# Altium PCB SONDE_2.PcbDoc (part 8 of 10)
Units mil, origin at the board's own origin, x right, y up, seen from the top; angles counter-clockwise.
Board outline 10236.22 x 6701.71 mil, 4 copper layers (Top Layer, GND, Internal Plane 2, Bottom Layer), stack 30.9 mil thick; 1794 components, 936 nets, 4747 pads, 493 vias.
Unrouted connection lines stored in the file: 1122.
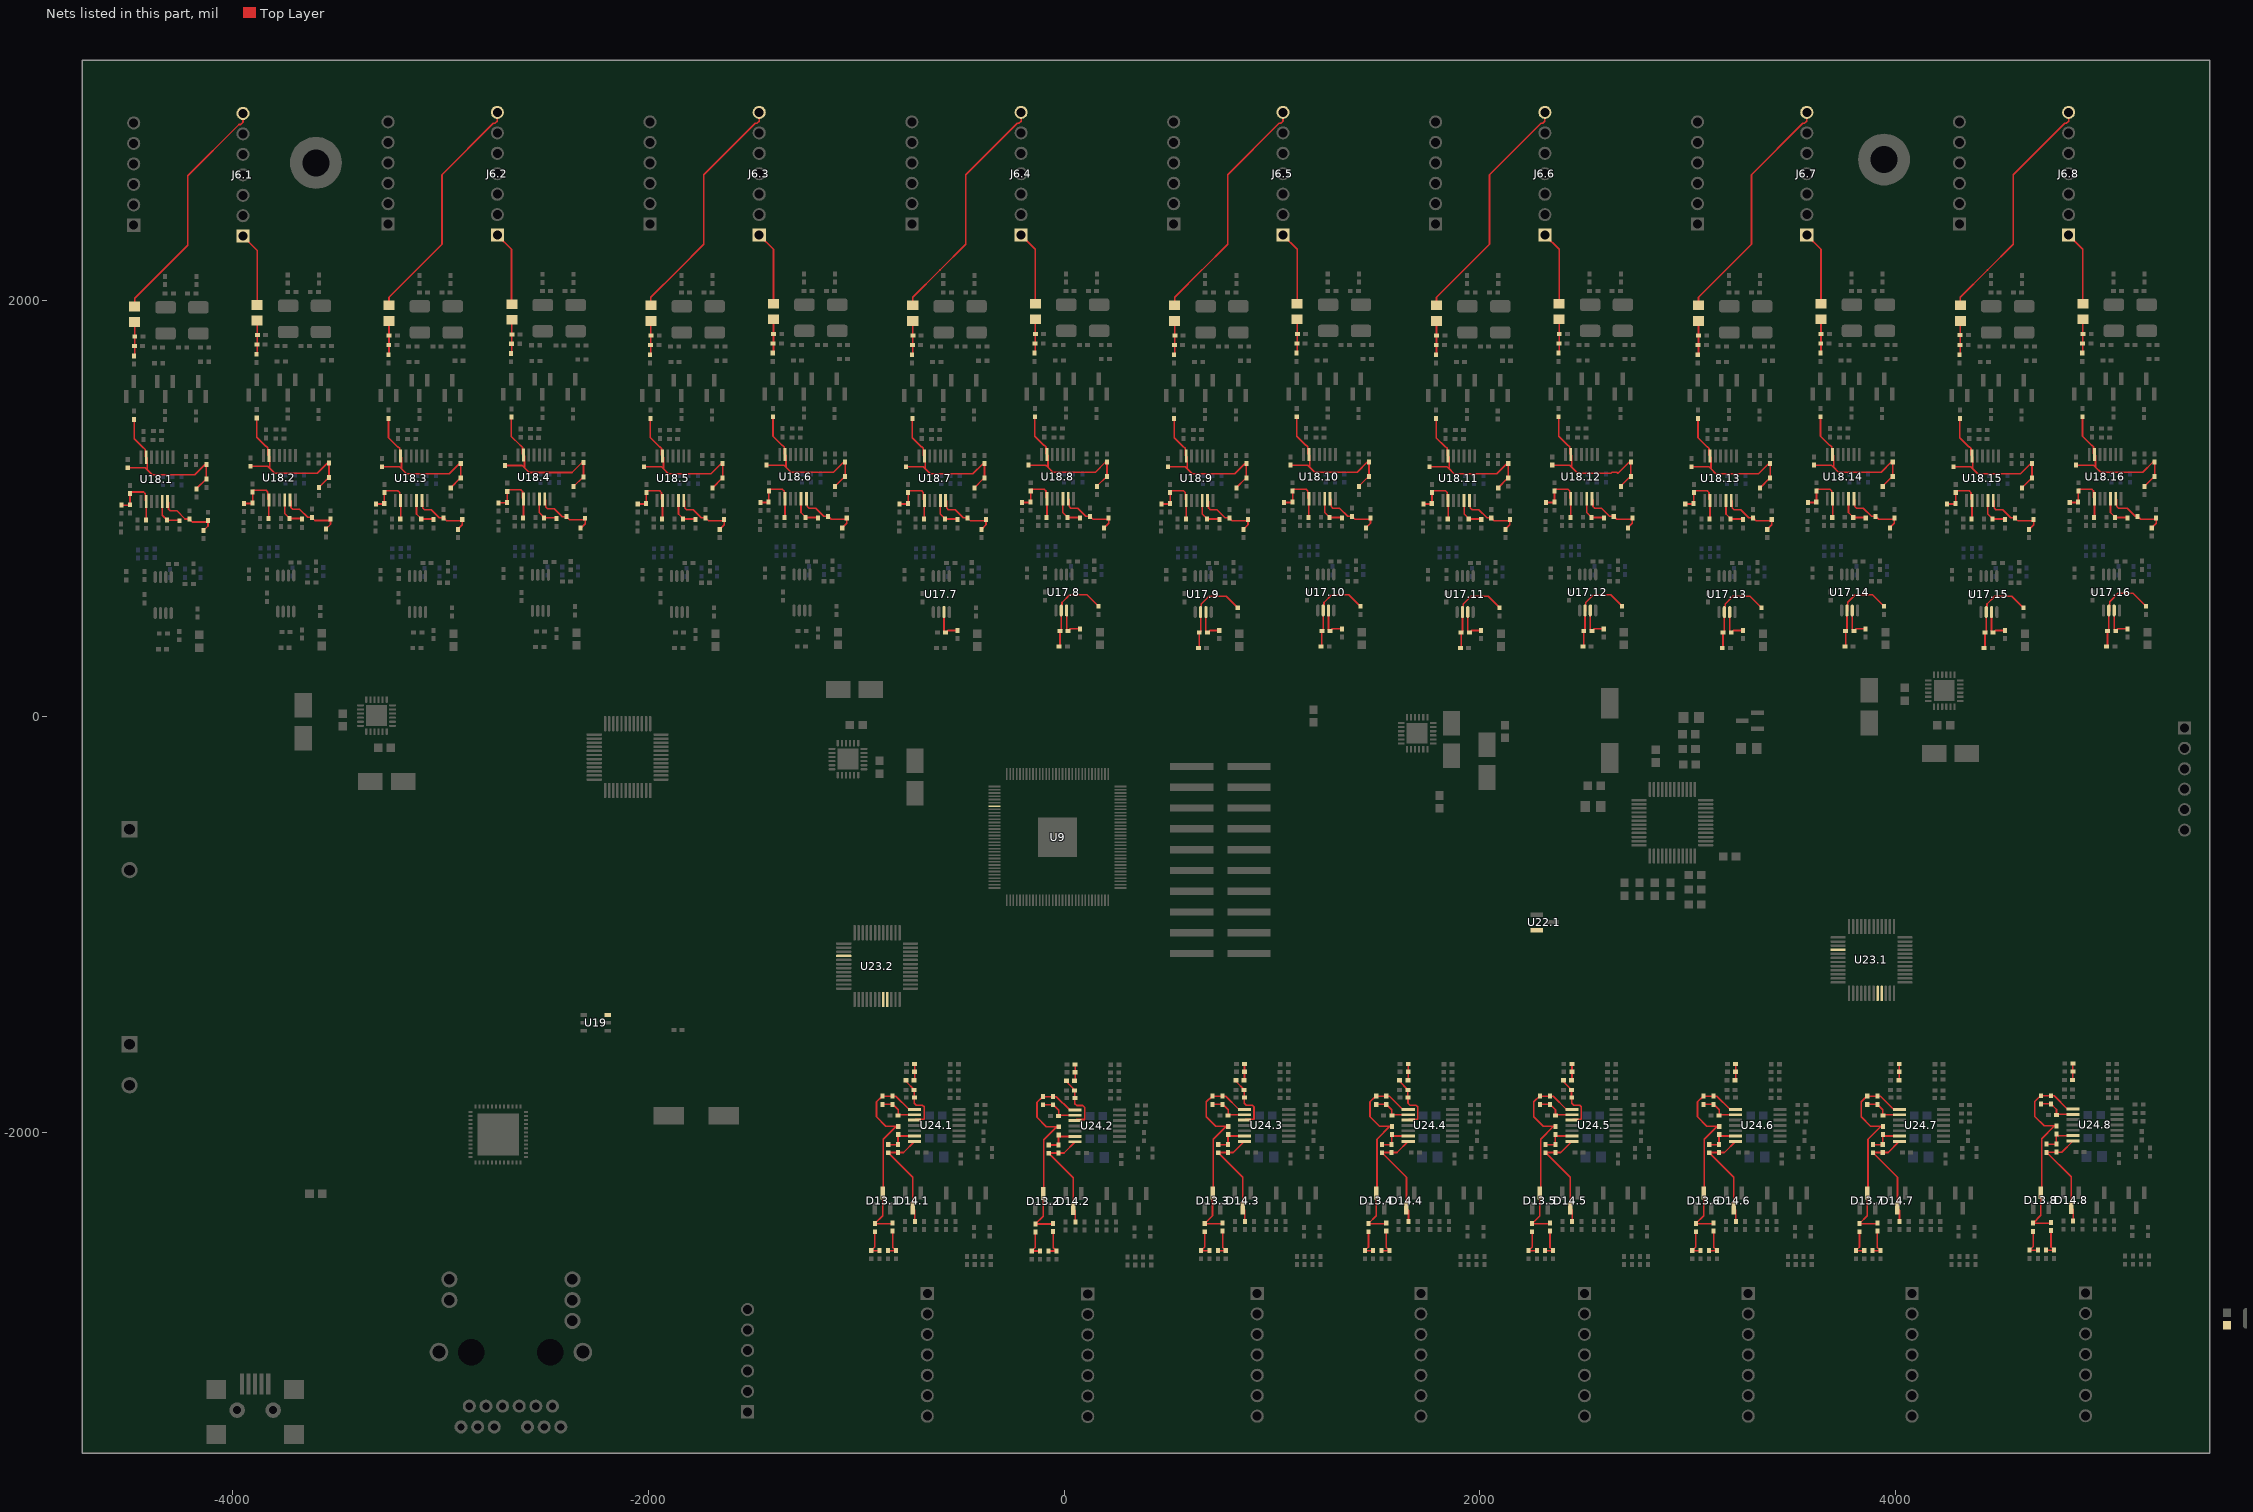
[diagram p10: the nets of this part, all layers, seen from the top]

## Via types
v1: diameter 25, hole 12, Top Layer to Bottom Layer, 493 vias

## Nets (pads, with @x,y where several pads share a name; then routed paths per layer and width w, separated by ;. In a path a pad name is that pad's centre, name@x,y a point inside that pad or via, vN(x,y) a via of type N, cw(c..) or ccw(c..) an arc to the next point about the centre after c; other vN are vias at no path point) (continued)
NetC75.7_2: C75.7.2 R51.7.1 U17.7.7 | length 163.2
  Top Layer w8: U17.7.7@-577.96,503.24 -577.96,411.66 C75.7.2@-570.46,404.16 -560.08,414.54 R51.7.1@-513.76,414.54
NetC75.8_1: C75.8.1 R47.8.1 R50.8.1 U17.8.6 | length 444.5
  Top Layer w8: R47.8.1@-20.16,340.63 C75.8.1@-20.16,411.63 ; C75.8.1@-12.27,419.52 C75.8.1@-20.16,411.63 ; U17.8.6@-10.5,507.33 -10.19,507.33 U17.8.6@-10.19,514.41 ; R50.8.1@164.77,531.03 109.47,586.33 26.97,586.33 -10.19,549.17 U17.8.6@-10.19,514.41 ; C75.8.1@-20.16,411.63 -13.88,417.91 U17.8.6@-13.88,510.72 U17.8.6@-10.19,514.41
NetC75.8_2: C75.8.2 R51.8.1 U17.8.7 | length 163.2
  Top Layer w8: U17.8.7@11.71,510.72 11.71,419.13 C75.8.2@19.21,411.63 29.59,422.02 R51.8.1@75.91,422.02
NetC75.9_1: C75.9.1 R47.9.1 R50.9.1 U17.9.6 | length 444.5
  Top Layer w8: R47.9.1@650.01,333.16 C75.9.1@650.01,404.16 ; C75.9.1@657.9,412.05 C75.9.1@650.01,404.16 ; U17.9.6@659.67,499.86 659.98,499.86 U17.9.6@659.98,506.93 ; R50.9.1@834.94,523.55 779.64,578.86 697.14,578.86 659.98,541.69 U17.9.6@659.98,506.93 ; C75.9.1@650.01,404.16 656.29,410.44 U17.9.6@656.29,503.24 U17.9.6@659.98,506.93
NetC75.9_2: C75.9.2 R51.9.1 U17.9.7 | length 163.2
  Top Layer w8: U17.9.7@681.88,503.24 681.88,411.66 C75.9.2@689.38,404.16 699.76,414.54 R51.9.1@746.08,414.54
NetC75.10_1: C75.10.1 R47.10.1 R50.10.1 U17.10.6 | length 444.5
  Top Layer w8: R47.10.1@1239.68,340.63 C75.10.1@1239.68,411.63 ; C75.10.1@1247.57,419.52 C75.10.1@1239.68,411.63 ; U17.10.6@1249.35,507.33 1249.65,507.33 U17.10.6@1249.65,514.41 ; R50.10.1@1424.61,531.03 1369.31,586.33 1286.81,586.33 1249.65,549.17 U17.10.6@1249.65,514.41 ; C75.10.1@1239.68,411.63 1245.96,417.91 U17.10.6@1245.96,510.72 U17.10.6@1249.65,514.41
NetC75.10_2: C75.10.2 R51.10.1 U17.10.7 | length 163.2
  Top Layer w8: U17.10.7@1271.55,510.72 1271.55,419.13 C75.10.2@1279.05,411.63 1289.44,422.02 R51.10.1@1335.76,422.02
NetC75.11_1: C75.11.1 R47.11.1 R50.11.1 U17.11.6 | length 444.5
  Top Layer w8: R47.11.1@1909.85,333.16 C75.11.1@1909.85,404.16 ; C75.11.1@1917.74,412.05 C75.11.1@1909.85,404.16 ; U17.11.6@1919.52,499.86 1919.82,499.86 U17.11.6@1919.82,506.93 ; R50.11.1@2094.78,523.55 2039.48,578.86 1956.99,578.86 1919.82,541.69 U17.11.6@1919.82,506.93 ; C75.11.1@1909.85,404.16 1916.13,410.44 U17.11.6@1916.13,503.24 U17.11.6@1919.82,506.93
NetC75.11_2: C75.11.2 R51.11.1 U17.11.7 | length 163.2
  Top Layer w8: U17.11.7@1941.72,503.24 1941.72,411.66 C75.11.2@1949.22,404.16 1959.61,414.54 R51.11.1@2005.93,414.54
NetC75.12_1: C75.12.1 R47.12.1 R50.12.1 U17.12.6 | length 444.5
  Top Layer w8: R47.12.1@2499.52,340.63 C75.12.1@2499.52,411.63 ; C75.12.1@2507.41,419.52 C75.12.1@2499.52,411.63 ; U17.12.6@2509.19,507.33 2509.49,507.33 U17.12.6@2509.49,514.41 ; R50.12.1@2684.46,531.03 2629.15,586.33 2546.66,586.33 2509.49,549.17 U17.12.6@2509.49,514.41 ; C75.12.1@2499.52,411.63 2505.8,417.91 U17.12.6@2505.8,510.72 U17.12.6@2509.49,514.41
NetC75.12_2: C75.12.2 R51.12.1 U17.12.7 | length 163.2
  Top Layer w8: U17.12.7@2531.39,510.72 2531.39,419.13 C75.12.2@2538.89,411.63 2549.28,422.02 R51.12.1@2595.6,422.02
NetC75.13_1: C75.13.1 R47.13.1 R50.13.1 U17.13.6 | length 444.5
  Top Layer w8: R47.13.1@3169.69,333.16 C75.13.1@3169.69,404.16 ; C75.13.1@3177.58,412.05 C75.13.1@3169.69,404.16 ; U17.13.6@3179.36,499.86 3179.66,499.86 U17.13.6@3179.66,506.93 ; R50.13.1@3354.63,523.55 3299.32,578.86 3216.83,578.86 3179.66,541.69 U17.13.6@3179.66,506.93 ; C75.13.1@3169.69,404.16 3175.97,410.44 U17.13.6@3175.97,503.24 U17.13.6@3179.66,506.93
NetC75.13_2: C75.13.2 R51.13.1 U17.13.7 | length 163.2
  Top Layer w8: U17.13.7@3201.56,503.24 3201.56,411.66 C75.13.2@3209.06,404.16 3219.45,414.54 R51.13.1@3265.77,414.54
NetC75.14_1: C75.14.1 R47.14.1 R50.14.1 U17.14.6 | length 445.3
  Top Layer w8: R47.14.1@3759.37,340.63 C75.14.1@3759.37,411.63 ; C75.14.1@3767.26,419.52 C75.14.1@3759.37,411.63 ; U17.14.6@3769.03,507.33 3769.34,507.33 U17.14.6@3769.34,514.41 ; R50.14.1@3944.3,531.03 3888.5,586.83 3806.29,586.83 3769.34,549.88 U17.14.6@3769.34,514.41 ; C75.14.1@3759.37,411.63 3765.65,417.91 U17.14.6@3765.65,510.72 U17.14.6@3769.34,514.41
NetC75.14_2: C75.14.2 R51.14.1 U17.14.7 | length 163.2
  Top Layer w8: U17.14.7@3791.24,510.72 3791.24,419.13 C75.14.2@3798.74,411.63 3809.12,422.02 R51.14.1@3855.44,422.02
NetC75.15_1: C75.15.1 R47.15.1 R50.15.1 U17.15.6 | length 444.5
  Top Layer w8: R47.15.1@4429.54,333.16 C75.15.1@4429.54,404.16 ; C75.15.1@4437.43,412.05 C75.15.1@4429.54,404.16 ; U17.15.6@4439.2,499.86 4439.51,499.86 U17.15.6@4439.51,506.93 ; R50.15.1@4614.47,523.55 4559.17,578.86 4476.67,578.86 4439.51,541.69 U17.15.6@4439.51,506.93 ; C75.15.1@4429.54,404.16 4435.82,410.44 U17.15.6@4435.82,503.24 U17.15.6@4439.51,506.93
NetC75.15_2: C75.15.2 R51.15.1 U17.15.7 | length 163.2
  Top Layer w8: U17.15.7@4461.41,503.24 4461.41,411.66 C75.15.2@4468.91,404.16 4479.29,414.54 R51.15.1@4525.61,414.54
NetC75.16_1: C75.16.1 R47.16.1 R50.16.1 U17.16.6 | length 452.1
  Top Layer w8: R47.16.1@5019.21,340.63 C75.16.1@5019.21,411.63 ; C75.16.1@5027.1,419.52 C75.16.1@5019.21,411.63 ; U17.16.6@5028.87,507.33 5029.18,507.33 U17.16.6@5029.18,514.41 ; R50.16.1@5204.14,531.03 5142.17,593 5069.47,593 5029.18,552.7 U17.16.6@5029.18,514.41 ; C75.16.1@5019.21,411.63 5025.49,417.91 U17.16.6@5025.49,510.72 U17.16.6@5029.18,514.41
NetC75.16_2: C75.16.2 R51.16.1 U17.16.7 | length 163.2
  Top Layer w8: U17.16.7@5051.08,510.72 5051.08,419.13 C75.16.2@5058.58,411.63 5068.96,422.02 R51.16.1@5115.28,422.02
NetC79.1_1: C79.1.1 R52.1.2 R54.1.2 U18.1.13 | length 314.4
  Top Layer w8: U18.1.13@-4313.37,1035.36 -4308.67,1030.66 -4308.67,998.06 -4300.47,989.86 -4267.88,989.86 -4229.05,951.03 R52.1.2@-4208.55,951.03 -4193.87,936.35 -4126.39,936.35 C79.1.1@-4119,943.74 -4119,917.16 R54.1.2@-4140.44,895.72
NetC79.2_1: C79.2.1 R52.2.2 R54.2.2 U18.2.13 | length 314.4
  Top Layer w8: U18.2.13@-3723.7,1042.83 -3719,1038.13 -3719,1005.54 -3710.8,997.34 -3678.2,997.34 -3639.38,958.51 R52.2.2@-3618.88,958.51 -3604.2,943.83 -3536.72,943.83 C79.2.1@-3529.33,951.22 -3529.33,924.64 R54.2.2@-3550.77,903.2
NetC79.3_1: C79.3.1 R52.3.2 R54.3.2 U18.3.13 | length 314.4
  Top Layer w8: U18.3.13@-3089.79,1040.49 -3085.09,1035.79 -3085.09,1003.2 -3076.89,995 -3044.3,995 -3005.47,956.17 R52.3.2@-2984.97,956.17 -2970.29,941.49 -2902.81,941.49 C79.3.1@-2895.42,948.88 -2895.42,922.3 R54.3.2@-2916.86,900.86
NetC79.4_1: C79.4.1 R52.4.2 R54.4.2 U18.4.13 | length 314.4
  Top Layer w8: U18.4.13@-2498.76,1046.08 -2494.06,1041.38 -2494.06,1008.79 -2485.86,1000.59 -2453.26,1000.59 -2414.44,961.76 R52.4.2@-2393.94,961.76 -2379.26,947.08 -2311.78,947.08 C79.4.1@-2304.39,954.47 -2304.39,927.89 R54.4.2@-2325.83,906.45
NetC79.5_1: C79.5.1 R52.5.2 R54.5.2 U18.5.13 | length 314.4
  Top Layer w8: U18.5.13@-1829.95,1040.49 -1825.25,1035.79 -1825.25,1003.2 -1817.05,995 -1784.45,995 -1745.63,956.17 R52.5.2@-1725.13,956.17 -1710.45,941.49 -1642.97,941.49 C79.5.1@-1635.58,948.88 -1635.58,922.3 R54.5.2@-1657.02,900.86
NetC79.6_1: C79.6.1 R52.6.2 R54.6.2 U18.6.13 | length 314.4
  Top Layer w8: U18.6.13@-1240.28,1047.97 -1235.58,1043.27 -1235.58,1010.68 -1227.37,1002.47 -1194.78,1002.47 -1155.95,963.65 R52.6.2@-1135.46,963.65 -1120.77,948.96 -1053.3,948.96 C79.6.1@-1045.9,956.36 -1045.9,929.78 R54.6.2@-1067.35,908.33
NetC79.7_1: C79.7.1 R52.7.2 R54.7.2 U18.7.13 | length 314.4
  Top Layer w8: U18.7.13@-570.11,1040.49 -565.41,1035.79 -565.41,1003.2 -557.2,995 -524.61,995 -485.78,956.17 R52.7.2@-465.29,956.17 -450.6,941.49 -383.13,941.49 C79.7.1@-375.73,948.88 -375.73,922.3 R54.7.2@-397.18,900.86
NetC79.8_1: C79.8.1 R52.8.2 R54.8.2 U18.8.13 | length 314.4
  Top Layer w8: U18.8.13@19.57,1047.97 24.27,1043.27 24.27,1010.68 32.47,1002.47 65.06,1002.47 103.89,963.65 R52.8.2@124.38,963.65 139.07,948.96 206.54,948.96 C79.8.1@213.94,956.36 213.94,929.78 R54.8.2@192.5,908.33
NetC79.9_1: C79.9.1 R52.9.2 R54.9.2 U18.9.13 | length 314.4
  Top Layer w8: U18.9.13@689.74,1040.49 694.44,1035.79 694.44,1003.2 702.64,995 735.23,995 774.06,956.17 R52.9.2@794.56,956.17 809.24,941.49 876.72,941.49 C79.9.1@884.11,948.88 884.11,922.3 R54.9.2@862.67,900.86
NetC79.10_1: C79.10.1 R52.10.2 R54.10.2 U18.10.13 | length 314.4
  Top Layer w8: U18.10.13@1279.41,1047.97 1284.11,1043.27 1284.11,1010.68 1292.31,1002.47 1324.9,1002.47 1363.73,963.65 R52.10.2@1384.23,963.65 1398.91,948.96 1466.39,948.96 C79.10.1@1473.78,956.36 1473.78,929.78 R54.10.2@1452.34,908.33
NetC79.11_1: C79.11.1 R52.11.2 R54.11.2 U18.11.13 | length 314.4
  Top Layer w8: U18.11.13@1949.58,1040.49 1954.28,1035.79 1954.28,1003.2 1962.48,995 1995.07,995 2033.9,956.17 R52.11.2@2054.4,956.17 2069.08,941.49 2136.56,941.49 C79.11.1@2143.95,948.88 2143.95,922.3 R54.11.2@2122.51,900.86
NetC79.12_1: C79.12.1 R52.12.2 R54.12.2 U18.12.13 | length 314.4
  Top Layer w8: U18.12.13@2539.25,1047.97 2543.95,1043.27 2543.95,1010.68 2552.15,1002.47 2584.75,1002.47 2623.57,963.65 R52.12.2@2644.07,963.65 2658.75,948.96 2726.23,948.96 C79.12.1@2733.62,956.36 2733.62,929.78 R54.12.2@2712.18,908.33
NetC79.13_1: C79.13.1 R52.13.2 R54.13.2 U18.13.13 | length 314.4
  Top Layer w8: U18.13.13@3209.42,1040.49 3214.12,1035.79 3214.12,1003.2 3222.32,995 3254.92,995 3293.74,956.17 R52.13.2@3314.24,956.17 3328.92,941.49 3396.4,941.49 C79.13.1@3403.79,948.88 3403.79,922.3 R54.13.2@3382.35,900.86
NetC79.14_1: C79.14.1 R52.14.2 R54.14.2 U18.14.13 | length 314.4
  Top Layer w8: U18.14.13@3799.09,1047.97 3803.79,1043.27 3803.79,1010.68 3811.99,1002.47 3844.59,1002.47 3883.42,963.65 R52.14.2@3903.91,963.65 3918.6,948.96 3986.07,948.96 C79.14.1@3993.47,956.36 3993.47,929.78 R54.14.2@3972.02,908.33
NetC79.15_1: C79.15.1 R52.15.2 R54.15.2 U18.15.13 | length 314.4
  Top Layer w8: U18.15.13@4469.26,1040.49 4473.96,1035.79 4473.96,1003.2 4482.17,995 4514.76,995 4553.59,956.17 R52.15.2@4574.08,956.17 4588.77,941.49 4656.24,941.49 C79.15.1@4663.64,948.88 4663.64,922.3 R54.15.2@4642.19,900.86
NetC79.16_1: C79.16.1 R52.16.2 R54.16.2 U18.16.13 | length 314.4
  Top Layer w8: U18.16.13@5058.94,1047.97 5063.64,1043.27 5063.64,1010.68 5071.84,1002.47 5114.53,1002.47 5153.35,963.65 R52.16.2@5163.75,963.65 5178.44,948.96 5245.92,948.96 C79.16.1@5253.31,956.36 5253.31,929.78 R54.16.2@5231.87,908.33
NetC80.1_1: C80.1.1 R53.1.1 R58.1.1 R60.1.2 R63.1.2 U18.1.6 | length 819.3
  Top Layer w8: C80.1.1@-4504.55,1197.03 -4420.87,1197.03 -4411.03,1187.2 ; R58.1.1@-4473.78,1429.93 -4473.78,1336.87 -4430.36,1293.45 -4428.64,1293.45 -4420.44,1285.25 -4420.44,1252.66 U18.1.6@-4415.74,1247.96 -4411.03,1243.25 -4411.03,1187.2 ; R63.1.2@-4174.55,1095.4 -4174.55,1096.49 -4128.64,1142.4 R60.1.2@-4126.55,1142.4 R53.1.1@-4126.55,1212.03 -4134.1,1212.03 -4182.42,1163.72 -4387.55,1163.72 -4411.03,1187.2
NetC80.2_1: C80.2.1 R53.2.1 R58.2.1 R60.2.2 R63.2.2 U18.2.6 | length 819.3
  Top Layer w8: C80.2.1@-3914.88,1204.51 -3831.2,1204.51 -3821.36,1194.68 ; R58.2.1@-3884.11,1437.41 -3884.11,1344.34 -3840.69,1300.93 -3838.97,1300.93 -3830.76,1292.73 -3830.76,1260.13 U18.2.6@-3826.06,1255.43 -3821.36,1250.73 -3821.36,1194.68 ; R63.2.2@-3584.88,1102.88 -3584.88,1103.96 -3538.96,1149.88 R60.2.2@-3536.88,1149.88 R53.2.1@-3536.88,1219.51 -3544.43,1219.51 -3592.74,1171.2 -3797.88,1171.2 -3821.36,1194.68
NetC80.3_1: C80.3.1 R53.3.1 R58.3.1 R60.3.2 R63.3.2 U18.3.6 | length 819.3
  Top Layer w8: C80.3.1@-3280.97,1202.17 -3197.29,1202.17 -3187.45,1192.34 ; R58.3.1@-3250.2,1435.07 -3250.2,1342 -3206.78,1298.59 -3205.06,1298.59 -3196.85,1290.39 -3196.85,1257.79 U18.3.6@-3192.15,1253.09 -3187.45,1248.39 -3187.45,1192.34 ; R63.3.2@-2950.97,1100.54 -2950.97,1101.62 -2905.05,1147.54 R60.3.2@-2902.97,1147.54 R53.3.1@-2902.97,1217.17 -2910.52,1217.17 -2958.84,1168.86 -3163.97,1168.86 -3187.45,1192.34
NetC80.4_1: C80.4.1 R53.4.1 R58.4.1 R60.4.2 R63.4.2 U18.4.6 | length 819.3
  Top Layer w8: C80.4.1@-2689.94,1207.76 -2606.26,1207.76 -2596.42,1197.93 ; R58.4.1@-2659.17,1440.66 -2659.17,1347.59 -2615.75,1304.18 -2614.02,1304.18 -2605.82,1295.98 -2605.82,1263.38 U18.4.6@-2601.12,1258.68 -2596.42,1253.98 -2596.42,1197.93 ; R63.4.2@-2359.94,1106.13 -2359.94,1107.21 -2314.02,1153.13 R60.4.2@-2311.94,1153.13 R53.4.1@-2311.94,1222.76 -2319.49,1222.76 -2367.8,1174.45 -2572.94,1174.45 -2596.42,1197.93
NetC80.5_1: C80.5.1 R53.5.1 R58.5.1 R60.5.2 R63.5.2 U18.5.6 | length 819.3
  Top Layer w8: C80.5.1@-2021.13,1202.17 -1937.44,1202.17 -1927.61,1192.34 ; R58.5.1@-1990.35,1435.07 -1990.35,1342 -1946.94,1298.59 -1945.21,1298.59 -1937.01,1290.39 -1937.01,1257.79 U18.5.6@-1932.31,1253.09 -1927.61,1248.39 -1927.61,1192.34 ; R63.5.2@-1691.13,1100.54 -1691.13,1101.62 -1645.21,1147.54 R60.5.2@-1643.13,1147.54 R53.5.1@-1643.13,1217.17 -1650.68,1217.17 -1698.99,1168.86 -1904.13,1168.86 -1927.61,1192.34
NetC80.6_1: C80.6.1 R53.6.1 R58.6.1 R60.6.2 R63.6.2 U18.6.6 | length 819.3
  Top Layer w8: C80.6.1@-1431.46,1209.65 -1347.77,1209.65 -1337.94,1199.81 ; R58.6.1@-1400.68,1442.55 -1400.68,1349.48 -1357.27,1306.06 -1355.54,1306.06 -1347.34,1297.86 -1347.34,1265.27 U18.6.6@-1342.64,1260.57 -1337.94,1255.87 -1337.94,1199.81 ; R63.6.2@-1101.46,1108.02 -1101.46,1109.1 -1055.54,1155.02 R60.6.2@-1053.46,1155.02 R53.6.1@-1053.46,1224.65 -1061.01,1224.65 -1109.32,1176.33 -1314.46,1176.33 -1337.94,1199.81
NetC80.7_1: C80.7.1 R53.7.1 R58.7.1 R60.7.2 R63.7.2 U18.7.6 | length 819.3
  Top Layer w8: C80.7.1@-761.29,1202.17 -677.6,1202.17 -667.77,1192.34 ; R58.7.1@-730.51,1435.07 -730.51,1342 -687.1,1298.59 -685.37,1298.59 -677.17,1290.39 -677.17,1257.79 U18.7.6@-672.47,1253.09 -667.77,1248.39 -667.77,1192.34 ; R63.7.2@-431.29,1100.54 -431.29,1101.62 -385.37,1147.54 R60.7.2@-383.29,1147.54 R53.7.1@-383.29,1217.17 -390.84,1217.17 -439.15,1168.86 -644.29,1168.86 -667.77,1192.34
NetC80.8_1: C80.8.1 R53.8.1 R58.8.1 R60.8.2 R63.8.2 U18.8.6 | length 819.3
  Top Layer w8: C80.8.1@-171.62,1209.65 -87.93,1209.65 -78.1,1199.81 ; R58.8.1@-140.84,1442.55 -140.84,1349.48 -97.43,1306.06 -95.7,1306.06 -87.5,1297.86 -87.5,1265.27 U18.8.6@-82.8,1260.57 -78.1,1255.87 -78.1,1199.81 ; R63.8.2@158.38,1108.02 158.38,1109.1 204.3,1155.02 R60.8.2@206.38,1155.02 R53.8.1@206.38,1224.65 198.84,1224.65 150.52,1176.33 -54.62,1176.33 -78.1,1199.81
NetC80.9_1: C80.9.1 R53.9.1 R58.9.1 R60.9.2 R63.9.2 U18.9.6 | length 819.3
  Top Layer w8: C80.9.1@498.56,1202.17 582.24,1202.17 592.07,1192.34 ; R58.9.1@529.33,1435.07 529.33,1342 572.74,1298.59 574.47,1298.59 582.67,1290.39 582.67,1257.79 U18.9.6@587.37,1253.09 592.07,1248.39 592.07,1192.34 ; R63.9.2@828.56,1100.54 828.56,1101.62 874.47,1147.54 R60.9.2@876.56,1147.54 R53.9.1@876.56,1217.17 869.01,1217.17 820.69,1168.86 615.56,1168.86 592.07,1192.34
NetC80.10_1: C80.10.1 R53.10.1 R58.10.1 R60.10.2 R63.10.2 U18.10.6 | length 819.3
  Top Layer w8: C80.10.1@1088.23,1209.65 1171.91,1209.65 1181.75,1199.81 ; R58.10.1@1119,1442.55 1119,1349.48 1162.42,1306.06 1164.14,1306.06 1172.35,1297.86 1172.35,1265.27 U18.10.6@1177.05,1260.57 1181.75,1255.87 1181.75,1199.81 ; R63.10.2@1418.23,1108.02 1418.23,1109.1 1464.14,1155.02 R60.10.2@1466.23,1155.02 R53.10.1@1466.23,1224.65 1458.68,1224.65 1410.36,1176.33 1205.23,1176.33 1181.75,1199.81
NetC80.11_1: C80.11.1 R53.11.1 R58.11.1 R60.11.2 R63.11.2 U18.11.6 | length 819.3
  Top Layer w8: C80.11.1@1758.4,1202.17 1842.08,1202.17 1851.92,1192.34 ; R58.11.1@1789.17,1435.07 1789.17,1342 1832.59,1298.59 1834.31,1298.59 1842.52,1290.39 1842.52,1257.79 U18.11.6@1847.22,1253.09 1851.92,1248.39 1851.92,1192.34 ; R63.11.2@2088.4,1100.54 2088.4,1101.62 2134.32,1147.54 R60.11.2@2136.4,1147.54 R53.11.1@2136.4,1217.17 2128.85,1217.17 2080.53,1168.86 1875.4,1168.86 1851.92,1192.34
NetC80.12_1: C80.12.1 R53.12.1 R58.12.1 R60.12.2 R63.12.2 U18.12.6 | length 828.4
  Top Layer w8: C80.12.1@2348.07,1209.65 2431.75,1209.65 2441.59,1199.81 ; R58.12.1@2378.85,1442.55 2378.85,1349.48 2422.26,1306.06 2423.99,1306.06 2432.19,1297.86 2432.19,1265.27 U18.12.6@2436.89,1260.57 2441.59,1255.87 2441.59,1199.81 ; R63.12.2@2678.07,1108.02 2678.07,1109.1 2723.99,1155.02 R60.12.2@2726.07,1155.02 R53.12.1@2726.07,1224.65 2718.52,1224.65 2664.13,1170.25 2662.97,1170.25 2657.98,1175.24 2636.02,1175.24 2631.03,1170.25 2471.15,1170.25 2441.59,1199.81
NetC80.13_1: C80.13.1 R53.13.1 R58.13.1 R60.13.2 R63.13.2 U18.13.6 | length 819.3
  Top Layer w8: C80.13.1@3018.24,1202.17 3101.92,1202.17 3111.76,1192.34 ; R58.13.1@3049.02,1435.07 3049.02,1342 3092.43,1298.59 3094.16,1298.59 3102.36,1290.39 3102.36,1257.79 U18.13.6@3107.06,1253.09 3111.76,1248.39 3111.76,1192.34 ; R63.13.2@3348.24,1100.54 3348.24,1101.62 3394.16,1147.54 R60.13.2@3396.24,1147.54 R53.13.1@3396.24,1217.17 3388.69,1217.17 3340.38,1168.86 3135.24,1168.86 3111.76,1192.34
NetC80.14_1: C80.14.1 R53.14.1 R58.14.1 R60.14.2 R63.14.2 U18.14.6 | length 819.3
  Top Layer w8: C80.14.1@3607.91,1209.65 3691.6,1209.65 3701.43,1199.81 ; R58.14.1@3638.69,1442.55 3638.69,1349.48 3682.1,1306.06 3683.83,1306.06 3692.03,1297.86 3692.03,1265.27 U18.14.6@3696.73,1260.57 3701.43,1255.87 3701.43,1199.81 ; R63.14.2@3937.91,1108.02 3937.91,1109.1 3983.83,1155.02 R60.14.2@3985.91,1155.02 R53.14.1@3985.91,1224.65 3978.36,1224.65 3930.05,1176.33 3724.91,1176.33 3701.43,1199.81
NetC80.15_1: C80.15.1 R53.15.1 R58.15.1 R60.15.2 R63.15.2 U18.15.6 | length 819.3
  Top Layer w8: C80.15.1@4278.08,1202.17 4361.77,1202.17 4371.6,1192.34 ; R58.15.1@4308.86,1435.07 4308.86,1342 4352.27,1298.59 4354,1298.59 4362.2,1290.39 4362.2,1257.79 U18.15.6@4366.9,1253.09 4371.6,1248.39 4371.6,1192.34 ; R63.15.2@4608.08,1100.54 4608.08,1101.62 4654,1147.54 R60.15.2@4656.08,1147.54 R53.15.1@4656.08,1217.17 4648.53,1217.17 4600.22,1168.86 4395.08,1168.86 4371.6,1192.34
NetC80.16_1: C80.16.1 R53.16.1 R58.16.1 R60.16.2 R63.16.2 U18.16.6 | length 820.5
  Top Layer w8: C80.16.1@4867.75,1209.65 4951.44,1209.65 4961.27,1199.81 ; R58.16.1@4898.53,1442.55 4898.53,1349.48 4941.94,1306.06 4943.67,1306.06 4951.87,1297.86 4951.87,1265.27 U18.16.6@4956.57,1260.57 4961.27,1255.87 4961.27,1199.81 ; R63.16.2@5197.75,1108.02 5197.75,1109.1 5243.67,1155.02 R60.16.2@5245.75,1155.02 R53.16.1@5245.75,1224.65 5238.21,1224.65 5188.39,1174.83 4986.25,1174.83 4961.27,1199.81
NetC81.1_2: C81.1.2 R56.1.1 U18.1.12 | length 159.6
  Top Layer w8: U18.1.12@-4338.96,1035.36 -4338.96,969.27 -4315.1,945.4 -4259.55,945.4 R56.1.1@-4256.55,942.4
NetC81.2_2: C81.2.2 R56.2.1 U18.2.12 | length 159.6
  Top Layer w8: U18.2.12@-3749.29,1042.83 -3749.29,976.74 -3725.43,952.88 -3669.88,952.88 R56.2.1@-3666.88,949.88
NetC81.3_2: C81.3.2 R56.3.1 U18.3.12 | length 159.6
  Top Layer w8: U18.3.12@-3115.38,1040.49 -3115.38,974.4 -3091.52,950.54 -3035.97,950.54 R56.3.1@-3032.97,947.54
NetC81.4_2: C81.4.2 R56.4.1 U18.4.12 | length 159.6
  Top Layer w8: U18.4.12@-2524.35,1046.08 -2524.35,979.99 -2500.49,956.13 -2444.94,956.13 R56.4.1@-2441.94,953.13
NetC81.5_2: C81.5.2 R56.5.1 U18.5.12 | length 159.6
  Top Layer w8: U18.5.12@-1855.54,1040.49 -1855.54,974.4 -1831.68,950.54 -1776.13,950.54 R56.5.1@-1773.13,947.54
NetC81.6_2: C81.6.2 R56.6.1 U18.6.12 | length 159.6
  Top Layer w8: U18.6.12@-1265.87,1047.97 -1265.87,981.88 -1242.01,958.02 -1186.46,958.02 R56.6.1@-1183.46,955.02
NetC81.7_2: C81.7.2 R56.7.1 U18.7.12 | length 159.6
  Top Layer w8: U18.7.12@-595.7,1040.49 -595.7,974.4 -571.84,950.54 -516.29,950.54 R56.7.1@-513.29,947.54
NetC81.8_2: C81.8.2 R56.8.1 U18.8.12 | length 159.6
  Top Layer w8: U18.8.12@-6.02,1047.97 -6.02,981.88 17.84,958.02 73.38,958.02 R56.8.1@76.38,955.02
NetC81.9_2: C81.9.2 R56.9.1 U18.9.12 | length 159.6
  Top Layer w8: U18.9.12@664.15,1040.49 664.15,974.4 688.01,950.54 743.56,950.54 R56.9.1@746.56,947.54
NetC81.10_2: C81.10.2 R56.10.1 U18.10.12 | length 159.6
  Top Layer w8: U18.10.12@1253.82,1047.97 1253.82,981.88 1277.68,958.02 1333.23,958.02 R56.10.1@1336.23,955.02
NetC81.11_2: C81.11.2 R56.11.1 U18.11.12 | length 159.6
  Top Layer w8: U18.11.12@1923.99,1040.49 1923.99,974.4 1947.85,950.54 2003.4,950.54 R56.11.1@2006.4,947.54
NetC81.12_2: C81.12.2 R56.12.1 U18.12.12 | length 159.6
  Top Layer w8: U18.12.12@2513.66,1047.97 2513.66,981.88 2537.52,958.02 2593.07,958.02 R56.12.1@2596.07,955.02
NetC81.13_2: C81.13.2 R56.13.1 U18.13.12 | length 159.6
  Top Layer w8: U18.13.12@3183.83,1040.49 3183.83,974.4 3207.69,950.54 3263.24,950.54 R56.13.1@3266.24,947.54
NetC81.14_2: C81.14.2 R56.14.1 U18.14.12 | length 159.6
  Top Layer w8: U18.14.12@3773.5,1047.97 3773.5,981.88 3797.36,958.02 3852.91,958.02 R56.14.1@3855.91,955.02
NetC81.15_2: C81.15.2 R56.15.1 U18.15.12 | length 159.6
  Top Layer w8: U18.15.12@4443.67,1040.49 4443.67,974.4 4467.54,950.54 4523.08,950.54 R56.15.1@4526.08,947.54
NetC81.16_2: C81.16.2 R56.16.1 U18.16.12 | length 159.6
  Top Layer w8: U18.16.12@5033.35,1047.97 5033.35,981.88 5057.21,958.02 5112.75,958.02 R56.16.1@5115.75,955.02
NetC82.1_1: C82.1.1 J6.1.7 | length 1148.9
  Top Layer w8: C82.1.1@-4471.61,1973.44 -4471.61,2012.09 -4340.48,2143.22 -4340.43,2143.22 -4216.53,2267.12 -4216.53,2601.5 -3969.25,2848.77 -3961.21,2848.77 -3950.41,2859.57 J6.1.7@-3950.41,2901.7